# Altium PCB Ixora.PcbDoc (part 13 of 13)
Units mm, origin at the board's own origin, x right, y up, seen from the top; angles counter-clockwise.
Board outline 125 x 90 mm, 6 copper layers (Top Layer, GND, Mid-Layer 1, Mid-Layer 2, POWER, Bottom Layer), stack 1.561 mm thick; 454 components, 512 nets, 2071 pads, 863 vias.
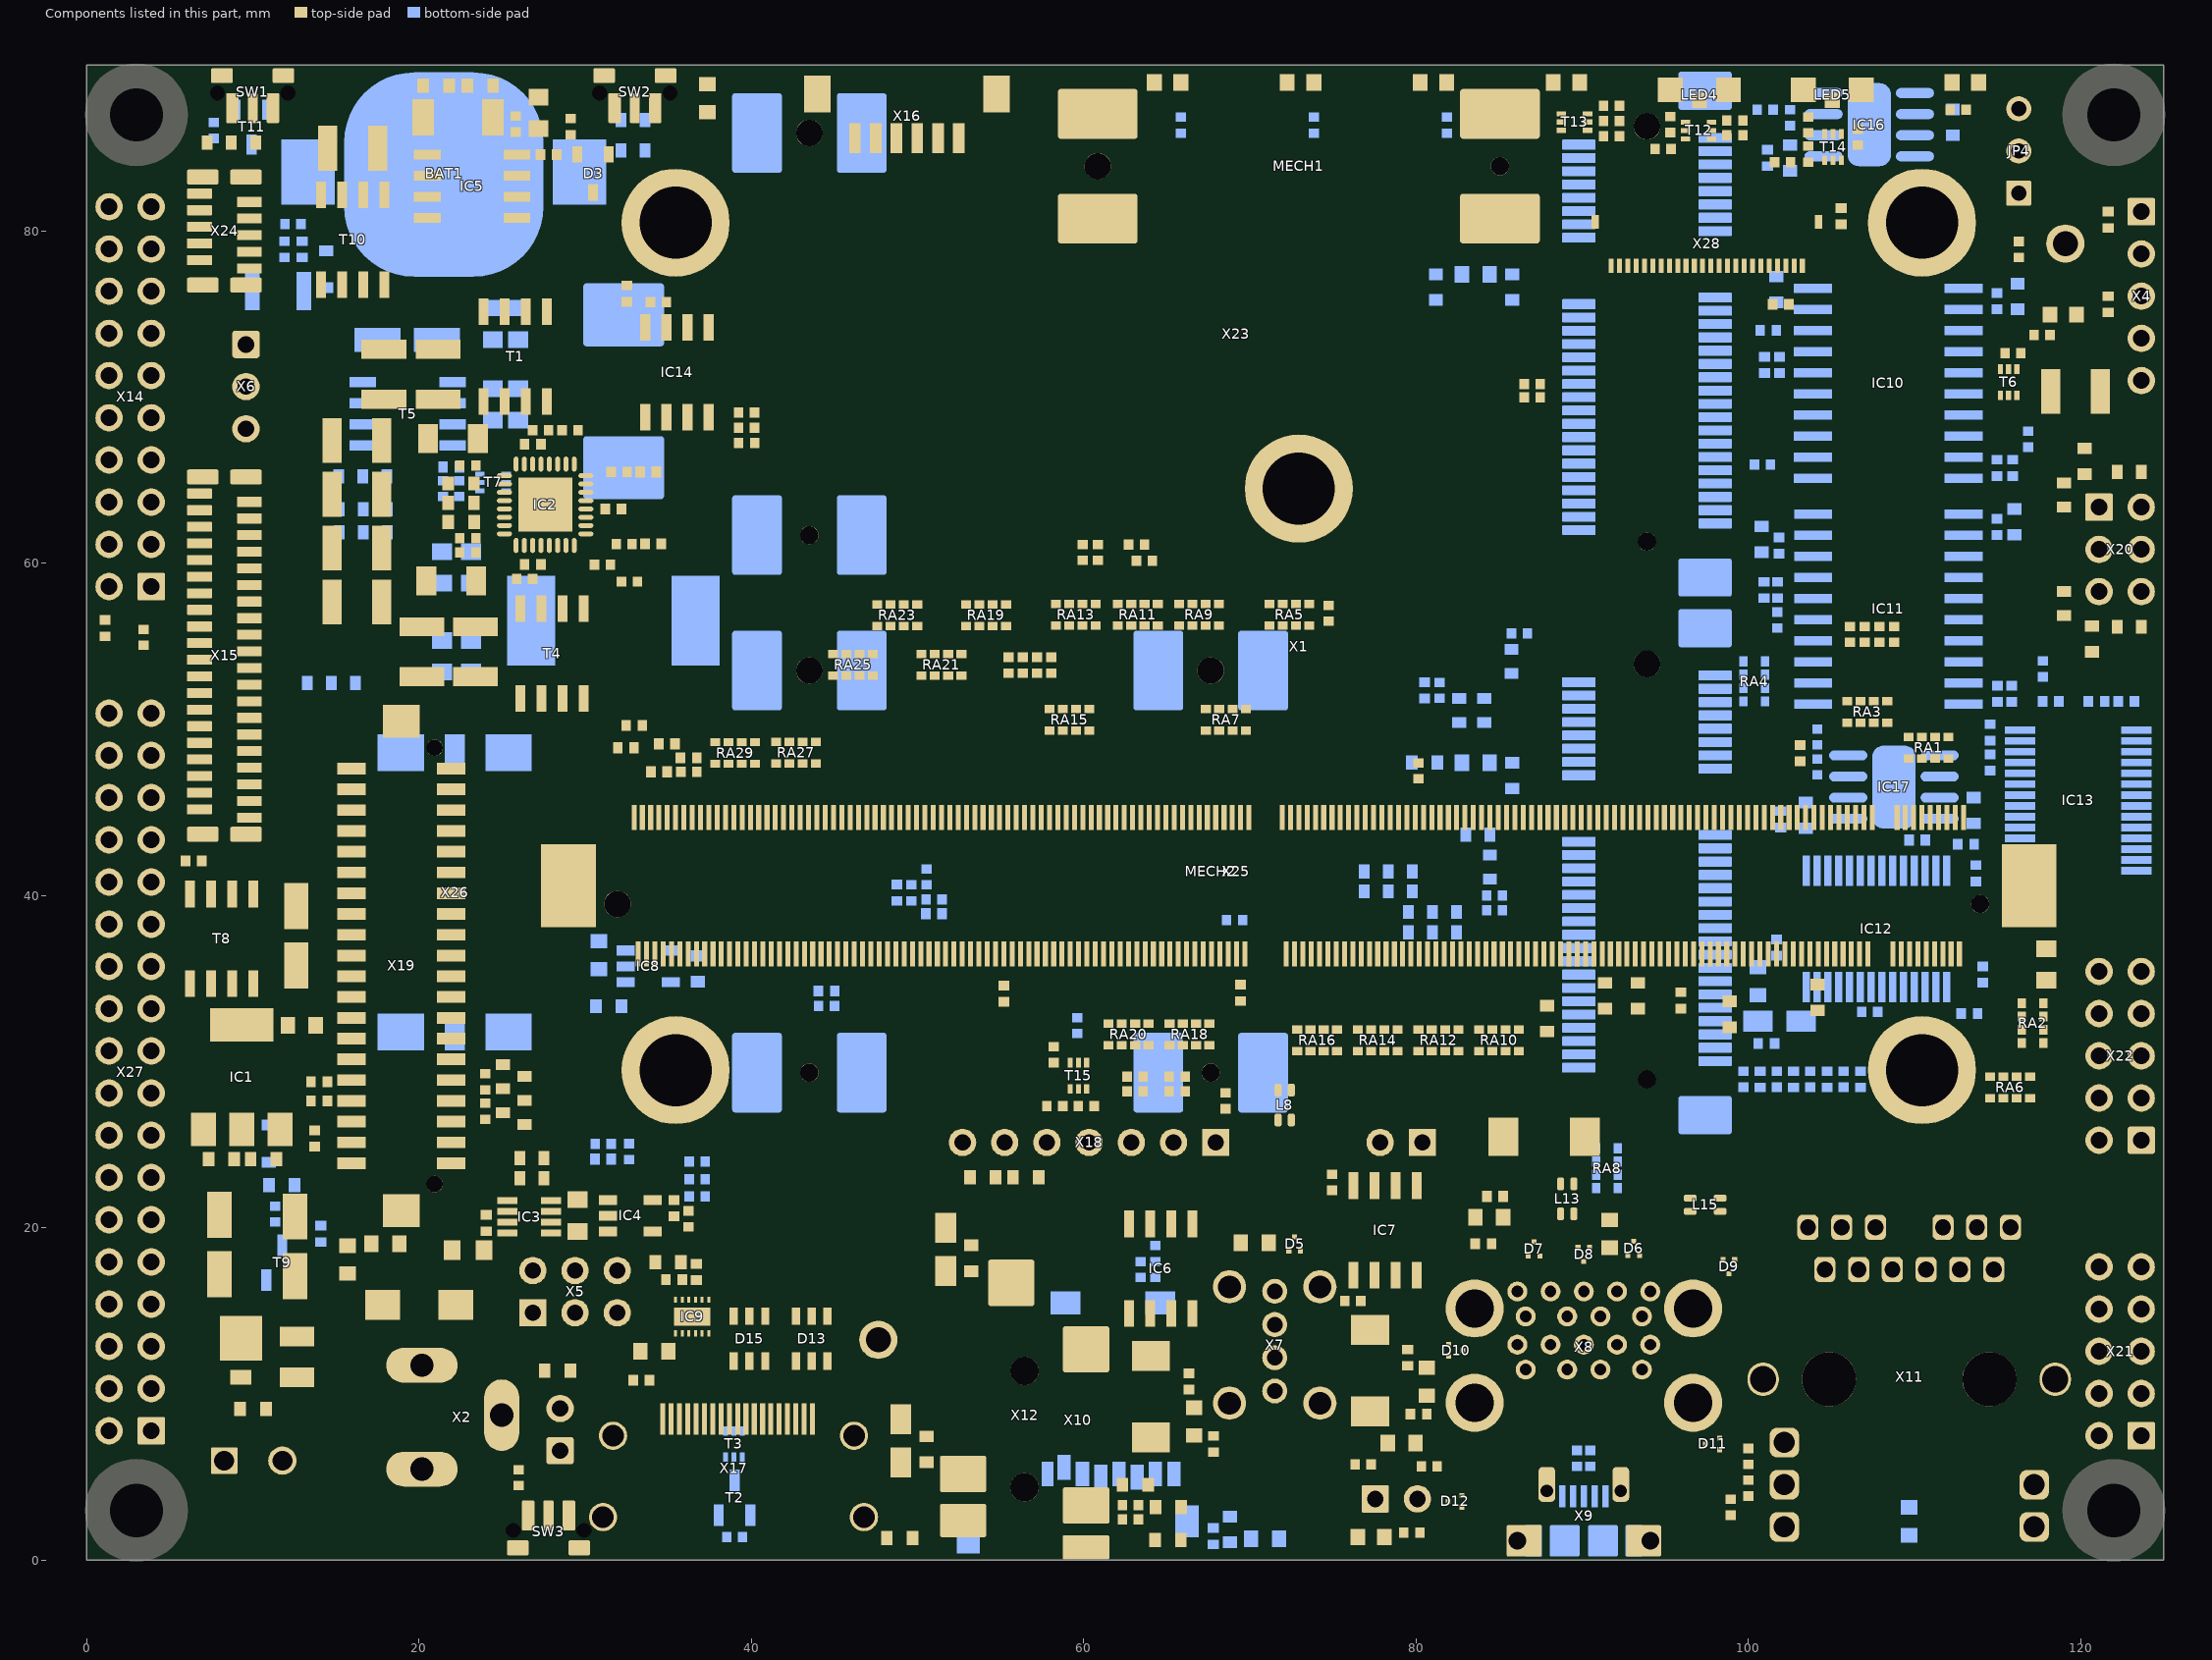
[diagram p17: the components of this part, seen from the top]

## Other copper (continued)
POWER (plane layer: these items are gaps in the copper):
  rectangle: 118.923,59.614 125.07,62.103
  pour cut-out: 44.036,53.338 43.425,52.727 44.108,52.044 44.719,52.655
  pour cut-out: 36.562,47.041 36.562,46.177 37.528,46.177 37.528,47.041
  pour cut-out: 13.609,30.29 14.021,29.54 14.681,29.947 14.473,30.29 14.473,31.255 13.609,31.255
  pour cut-out: 110.007,80.721 108.661,78.816 110.007,77.165 112.9,77.165 112.9,80.721
  pour cut-out: 123.65,81.947 123.65,80.373 124.587,80.373 124.587,81.947
  pour cut-out: 123.65,76.867 123.65,75.293 124.587,75.293 124.587,76.867
  pour cut-out: 123.65,71.787 123.65,70.213 124.587,70.213 124.587,71.787
  pour cut-out: 100.584,89.002 100.584,89.662 99.72,89.662 99.72,89.002
  pour cut-out: 109.474,55.677 110.185,55.677 110.185,54.813 109.474,54.813
  pour cut-out: 72.619,35.56 71.958,34.9 71.958,34.767 71.857,34.665 71.857,33.604 72.771,32.69 72.977,32.69 74.371,34.084 74.371,34.364 73.175,35.56
  pour cut-out: 101.336,47.106 101.336,47.986 102.126,47.986 102.126,47.106
  pour cut-out: 75.604,41.252 76.484,41.252 76.484,40.462 75.604,40.462
  pour cut-out: 81.737,43.688 81.737,42.824 81.001,42.824 80.518,42.342 80.061,42.342 79.35,43.053 79.35,43.409 79.629,43.688
  pour cut-out: 95.26,70.363 96.14,70.363 96.14,69.573 95.26,69.573
  pour cut-out: 95.26,73.563 96.14,73.563 96.14,72.773 95.26,72.773
  pour cut-out: 91.491,25.362 91.491,26.242 92.281,26.242 92.281,25.362
  pour cut-out: 95.75,34.86 95.75,35.74 96.54,35.74 96.54,34.86
  pour cut-out: 101.87,40.985 101.87,41.865 102.66,41.865 102.66,40.985
  pour cut-out: 95.17,40.35 95.17,41.23 95.96,41.23 95.96,40.35
  pour cut-out: 82.973,38.805 83.852,38.805 83.852,38.015 82.973,38.015
  pour cut-out: 75.405,39.45 76.284,39.45 76.284,38.66 75.405,38.66
  pour cut-out: 62.56,17.45 62.56,16.586 63.221,16.586 63.221,17.45
  pour cut-out: 63.551,22.327 64.44,22.327 64.44,21.717 63.881,21.717 63.551,21.387
  pour cut-out: 37.465,39.116 37.465,38.252 38.43,38.252 38.43,39.116
  pour cut-out: 38.965,38.461 38.965,37.597 39.93,37.597 39.93,38.461
  pour cut-out: 40.465,39.116 40.465,38.252 41.43,38.252 41.43,39.116
  pour cut-out: 41.965,38.461 41.965,37.597 42.93,37.597 42.93,38.461
  pour cut-out: 43.465,39.116 43.465,38.252 44.43,38.252 44.43,39.116
  pour cut-out: 80.539,60.868 80.539,60.004 81.504,60.004 81.504,60.868
  pour cut-out: 80.539,62.41 80.539,61.547 81.504,61.547 81.504,62.41
  pour cut-out: 83.119,62.41 83.119,61.547 84.084,61.547 84.084,62.41
  pour cut-out: 83.119,60.868 83.119,60.004 84.084,60.004 84.084,60.868
  pour cut-out: 85.724,60.868 85.724,60.004 86.689,60.004 86.689,60.868
  pour cut-out: 85.724,62.41 85.724,61.547 86.689,61.547 86.689,62.41
  pour cut-out: 87.859,69.915 88.723,69.915 88.723,70.88 87.859,70.88
  pour cut-out: 74.009,28.265 74.873,28.265 74.873,29.23 74.009,29.23
  pour cut-out: 13.609,30.29 14.473,30.29 14.473,31.255 13.609,31.255
  pour cut-out: 13.872,33.96 14.736,33.96 14.736,34.925 13.872,34.925
  pour cut-out: 13.872,37.71 14.736,37.71 14.736,38.675 13.872,38.675
  pour cut-out: 13.609,41.54 14.473,41.54 14.473,42.505 13.609,42.505
  pour cut-out: 13.847,45.21 14.71,45.21 14.71,46.175 13.847,46.175
  pour cut-out: 13.36,23.089 15.469,23.089 14.414,22.034
  pour cut-out: 1.36,17.528 1.36,18.745 0.395,18.745 0.395,17.528
  pour cut-out: 1.36,7.368 1.36,8.585 0.395,8.585 0.395,7.368
  pour cut-out: 25.07,2.134 25.07,2.946 25.832,2.946 25.832,2.134
  pour cut-out: 1.36,9.553 1.36,11.127 0.423,11.127 0.423,9.553
  pour cut-out: 1.36,12.093 1.36,13.667 0.423,13.667 0.423,12.093
  pour cut-out: 1.36,14.633 1.36,16.207 0.423,16.207 0.423,14.633
  pour cut-out: 1.36,19.713 1.36,21.287 0.423,21.287 0.423,19.713
  pour cut-out: 1.36,22.253 1.36,23.827 0.423,23.827 0.423,22.253
  pour cut-out: 1.36,24.793 1.36,26.367 0.423,26.367 0.423,24.793
  pour cut-out: 1.36,27.333 1.36,28.907 0.423,28.907 0.423,27.333
  pour cut-out: 1.36,29.873 1.36,31.447 0.423,31.447 0.423,29.873
  pour cut-out: 1.36,32.413 1.36,33.987 0.423,33.987 0.423,32.413
  pour cut-out: 1.36,34.953 1.36,36.527 0.423,36.527 0.423,34.953
  pour cut-out: 1.36,37.493 1.36,39.067 0.423,39.067 0.423,37.493
  pour cut-out: 1.36,40.033 1.36,41.607 0.423,41.607 0.423,40.033
  pour cut-out: 1.36,42.573 1.36,44.147 0.423,44.147 0.423,42.573
  pour cut-out: 1.36,47.653 1.36,49.227 0.423,49.227 0.423,47.653
  pour cut-out: 1.36,50.193 1.36,51.767 0.423,51.767 0.423,50.193
  pour cut-out: 1.36,57.813 1.36,59.387 0.423,59.387 0.423,57.813
  pour cut-out: 1.36,60.353 1.36,61.927 0.423,61.927 0.423,60.353
  pour cut-out: 1.36,62.893 1.36,64.467 0.423,64.467 0.423,62.893
  pour cut-out: 1.36,65.433 1.36,67.007 0.423,67.007 0.423,65.433
  pour cut-out: 1.36,67.973 1.36,69.547 0.423,69.547 0.423,67.973
  pour cut-out: 1.36,70.513 1.36,72.087 0.423,72.087 0.423,70.513
  pour cut-out: 1.36,73.053 1.36,74.627 0.423,74.627 0.423,73.053
  pour cut-out: 1.36,75.593 1.36,77.167 0.423,77.167 0.423,75.593
  pour cut-out: 1.36,78.133 1.36,79.707 0.423,79.707 0.423,78.133
  pour cut-out: 123.64,8.287 123.64,6.713 124.577,6.713 124.577,8.287
  pour cut-out: 123.64,10.827 123.64,9.253 124.577,9.253 124.577,10.827
  pour cut-out: 123.64,13.367 123.64,11.793 124.577,11.793 124.577,13.367
  pour cut-out: 123.64,15.907 123.64,14.333 124.577,14.333 124.577,15.907
  pour cut-out: 123.64,26.067 123.64,24.493 124.577,24.493 124.577,26.067
  pour cut-out: 123.64,28.607 123.64,27.033 124.577,27.033 124.577,28.607
  pour cut-out: 123.64,31.147 123.64,29.573 124.577,29.573 124.577,31.147
  pour cut-out: 123.64,33.687 123.64,32.113 124.577,32.113 124.577,33.687
  pour cut-out: 123.64,59.087 123.64,57.513 124.577,57.513 124.577,59.087
  pour cut-out: 123.64,64.167 123.64,62.593 124.577,62.593 124.577,64.167
  pour cut-out: 38.151,22.047 38.151,20.65 39.548,20.65
  pour cut-out: 72.542,15.403 72.542,16.977 70.333,16.977 70.333,15.403
  pour cut-out: 74.221,8.714 74.221,10.77 68.78,10.77 68.78,8.713
  pour cut-out: 33.147,40.488 32.563,40.208 32.563,39.751 33.02,39.294 33.604,39.802
  pour cut-out: 30.861,39.446 30.861,38.379 33.045,38.379 33.045,39.446
  pour cut-out: 91.933,34.718 92.812,34.718 92.812,33.928 91.933,33.928
  pour cut-out: 52.654,23.622 52.654,22.581 51.187,22.581 51.816,23.52
  lines w0.3: 0,17.492 30.5,17.492 30.5,38.333 33.46,38.333 33.46,24.96 35.52,22.9 37.408,22.9 56.628,3.68 66.194,3.68 66.194,7.517 63.195,10.516 63.195,20.879 64.084,21.768 66.668,21.768 69.1,24.2 69.1,27.3 67.9,28.5 61.458,28.5 60.144,29.814 60.144,32.207 61.163,32.207 61.62,31.75 68.147,31.75 71.45,28.447 71.45,23.94 76.483,18.907 78.075,17.315 78.075,0 ; 42.494,42.556 43.572,41.478 46.939,38.111 46.939,21.285 47.625,20.599 47.625,16.231 48.158,15.697 50.698,15.697 51.181,16.18 51.181,22.86 51.918,23.597 58.75,23.597 58.75,26.302 54.1,30.952 54.1,34.6 47.193,41.507 47.193,42.342 45.999,43.536 42.494,43.536 42.494,42.556
  lines w1.2: 110.744,64.1 118.2,64.1 118.2,60.84 ; 124.9,52.22 118.2,52.22 118.2,50.95 110.617,50.95 110.617,77.571 117.501,77.571 119.495,75.577 119.495,70.35 124.9,70.35
  lines w1.5: 0.25,6.85 4.642,6.85 6.85,4.642 6.85,0.25 ; 0.25,83.439 4.931,83.439 6.85,85.358 6.85,89.75 ; 118.15,0.25 118.15,4.642 120.358,6.85 124.75,6.85 ; 118.15,89.75 118.15,85.609 120.574,83.185 124.75,83.185
  lines w2.5: 24.884,0.749 24.885,0.75 ; 118.847,60.865 124.231,60.865
  lines w2.6: 13.726,89.2 13.727,89.201 ; 29.707,89.199 29.708,89.2 ; 70.849,6.299 70.85,6.3 ; 36.055,89.199 36.056,89.2
  lines w3: 39.434,10.232 39.433,10.231 42.1,10.231 ; 87.484,4 87.485,4.001 ; 92.785,4 92.786,4.001 ; 100.892,10.899 100.893,10.9
  lines w4: 31.083,2.6 31.084,2.601 ; 31.683,7.5 31.684,7.501 ; 46.8,2.6 46.801,2.601 ; 68.78,16.46 68.781,16.461 ; 86.374,1.51 86.374,1.511 ; 93.661,1.55 93.662,1.551 ; 46.183,7.5 46.184,7.501 ; 74.22,16.46 74.221,16.461
  lines w4.1: 68.779,9.459 68.78,9.46 ; 74.219,9.459 74.22,9.46
  lines w4.5: 83.53,9.48 83.531,9.481 ; 83.53,15.16 83.531,15.161 ; 96.67,9.48 96.671,9.481 ; 96.67,15.16 96.671,15.161 ; 118.469,10.899 118.47,10.9

## Silkscreen, mask and mechanical layers (free items; w line width, h text height)
Top Overlay:
  lines w0.2: 44.403,52.785 44.403,53.031 ; 44.403,54 44.403,55.025
  text "RES." at 39.606,87.997 h0.75
  text "ON/OFF" at 13.589,87.782 h0.75
  text "TOUCH" at 39.014,86.919 h0.75
  text "RESET" at 33.553,84.43 h0.75
  text "RECOVERY" at 118.618,81.864 h0.75 r90
  text "MIPI-CSI" at 94.945,81.28 h0.75
  text "CAP. TOUCH" at 13.157,76.403 h0.75 r90
  text "APALIS MODULE" at 63.3,75.45 h1.52
  text "G" at 14.1,72.805 h0.75
  text "P" at 14.1,70.265 h0.75
  text "CAN1" at 115.627,63.005 h0.75
  text "CAN2" at 115.627,57.925 h0.75
  text "UNIF. INTERFACE DISPLAY" at 12.9,46.2 h0.75 r90
  text "UART1" at 119.809,37.216 h0.75
  text "LVDS" at 24.405,34.467 h0.75 r90
  text "LINE IN" at 51.781,26.9 h0.75
  text "S/PDIF" at 62.25,26.9 h0.75
  text "CHECK MODULE" at 93.208,24.778 h0.75
  text "DATASHEET FOR USB" at 91.459,23.752 h0.75
  text "PORT AVAILABILITY" at 91.709,22.742 h0.75
  text "UART2/3" at 119.4,19.35 h0.75
  text "HP/MIC" at 52.95,8.254 h0.75 r90
  text "-" at 8.038,7.542 h0.75
  text "+" at 11.538,7.542 h0.75
  text "OTG ID" at 75.768,2.286 h0.75 r90
Bottom Overlay:
  circle w1: c20.124,8.592 r0.601
  lines w0.2: 38.175,83.45 38.175,88.8
  lines w0.254: 17.425,8.599 18.625,8.599 ; 19.952,8.599 22.125,8.599 ; 21.254,7.789 cw(c20.107,8.592) 21.254,9.395
  text "BATTERY" at 11.278,82.398 h0.76
  text "TYPE:" at 11.278,81.305 h0.76
  text "3.3V_SW" at 122.571,80.843 h0.76
  text "CR1216," at 11.252,80.264 h0.76
  text "BR1220," at 11.252,79.146 h0.76
  text "GND" at 122.521,78.176 h0.76
  text "BR1225" at 11.252,78.054 h0.76
  text "5V_SW" at 122.521,75.763 h0.76
  text "GND" at 122.521,73.096 h0.76
  text "V_SPLY_F_SW" at 122.521,70.683 h0.76
  text "mSATA" at 54.575,70.271 h1.52 r270
  text "SIM CARD" at 10.262,41.529 h0.76 r270
  text "MINI PCIe" at 54.575,35.433 h1.52 r270
  text "MICRO SD" at 59.055,18.212 h0.76
  text "CARD" at 57.658,17.094 h0.76
  text "-" at 16.725,9.092 h1 r180
  text "SHARED WITH" at 94.244,8.487 h0.76
  text "+" at 22.625,7.995 h1.2
  text "GND" at 7.29,7.645 h1.78 r270
  text "7-27V" at 10.668,7.645 h1.78 r270
  text "X8 BOTTOM" at 93.483,7.337 h0.76
Bottom Solder:
  text "Ixora Rev. 1.1" at 72.183,77.75 h2.5
Mechanical 2:
  lines w0.01: 67.955,-0.508 68.408,-0.508
Mechanical 15:
  the board outline again, w0.254

## Text inside footprints (layer, text, board x,y; h text height)
TP5: Top Overlay "GND" at 118.034,76.657 h0.75
TP6: Top Overlay "GND" at 46.8,15.05 h0.75
X28: Top Overlay "1" at 91.669,76.352 h0.75; Top Overlay "24" at 102.616,76.378 h0.75